# KiCad board r1_panel.kicad_pcb (continued)
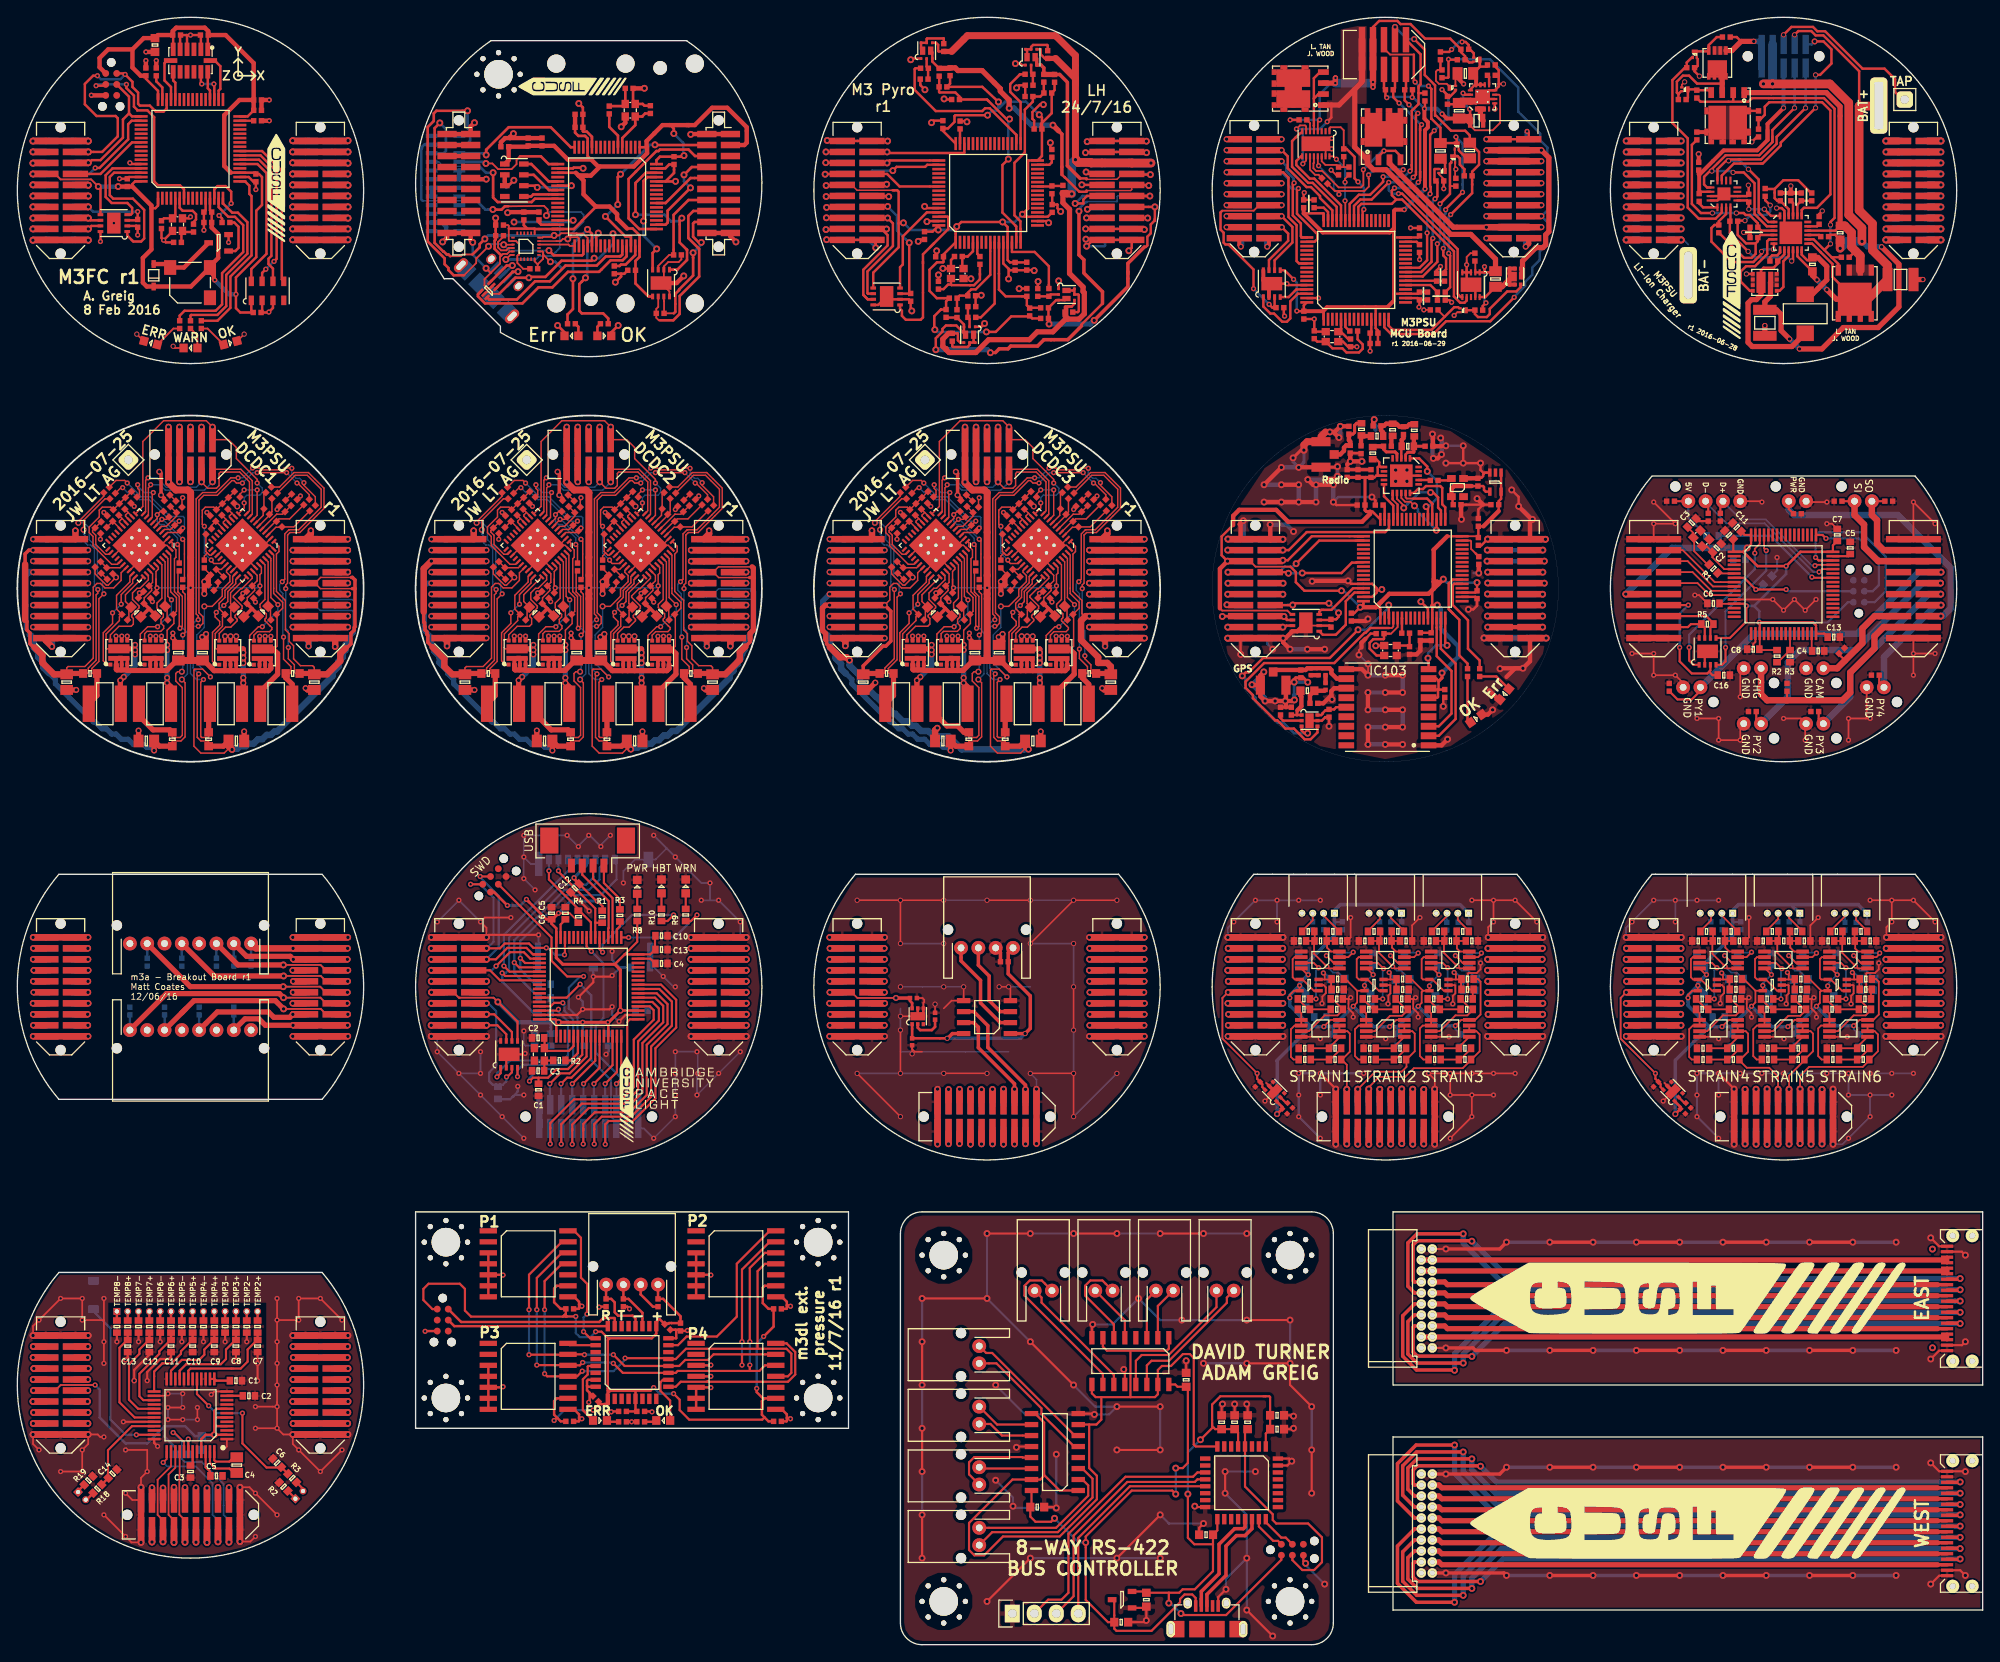
[diagram p0: board, top side]
## Routing (per net, layer and track width the routed paths; a pad name or vN(x,y) marks a point on that pad's centre or on a via; arc(x,y) is an arc through that point) (continued)
  Top w0.6: 168.75,178.81 IC2#11.EP 168.74,178.31 167.84,178.31 ; v2(185.82,173.72) 185.83,173.72 ; v2(174.22,161.51) 174.57,161.85 J4#4.20 ; J4#4.1 169.68,173.91 ; v2(33.64,115.34) 33.64,115.93 J4.19 ; 113.4,116.35 v2(113.8,116.75) 113.8,115.9 C7#9.2 113.4,116.35 ; 113.4,116.35 v2(113.35,116.4) ; 68.06,123.31 R12#5.2 ; 68.06,123.31 C9#7.2 ; 68.06,123.31 68.06,123.26 v2(67.6,122.8) v2(67.6,121.4) ; 67.4,116.35 v2(67.35,116.4) ; 67.4,116.35 v2(67.8,116.75) 67.8,115.9 C7#8.2 67.4,116.35 ; v2(21.6,121.4) v2(21.6,122.8) 22.06,123.26 22.06,123.31 ; J1#11.2 146.03,173.91 ; 21.4,116.35 v2(21.35,116.4) ; 21.4,116.35 v2(21.8,116.75) 21.8,115.9 C7#7.2 21.4,116.35 ; v2(79.3,110.5) 79.5,110.3 C1#8.2 ; J4#3.19 125.64,115.93 v2(125.64,115.34) ; C9#11.2 v4(201.84,152.39) ; 22.06,123.31 R12#6.2 ; 22.06,123.31 C9#6.2 ; C15#5.2 v2(26.2,105.5) ; v2(125.3,110.5) 125.5,110.3 C1#9.2 ; C30#3.2 98.26,110.3 v2(99.1,111.14) ; v2(33.3,110.5) 33.5,110.3 C1#7.2 ; 114.06,123.31 R12#7.2 ; 114.06,123.31 114.06,123.26 v2(113.6,122.8) v2(113.6,121.4) ; 114.06,123.31 C9#8.2 ; J4#4.19 169.68,162.49 ; C30.2 v2(6.8,110.3) ; C15#6.2 v2(72.2,105.5) ; C7#12.2 v4(220.09,157.71) ; C30#2.2 v2(52.8,110.3) ; C16#6.2 v2(14,105.6) ; J1#11.1 139.68,173.91 ; v2(79.64,115.34) 79.64,115.93 J4#2.19 ; C15#7.2 v2(118.2,105.5) ; C16#7.2 v2(60,105.6)
  Top w0.74: v1(146.2,116.28) 146.19,116.28 J101.20 J101.19 141.28,116.28 v1(139.8,116.28) ; v1(14.29,11.81) J5#3.1 J5#3.2 v1(14.29,18.19) ; J2#6.19 J2#6.20 ; v2(100.19,81.72) J1#16.2 J1#16.1 v2(93.82,81.72) ; v1(25.72,11.91) J5#3.19 J5#3.20 v1(25.72,18.19) ; v1(169.83,127.72) 169.84,127.72 J103.1 J103.2 176.49,127.72 v1(176.5,127.7) ; v2(1.82,81.72) J1#5.1 J1#5.2 v2(8.19,81.72) ; v2(84.18,127.71) 82.72,127.71 J4#2.2 J4#2.1 79.9,128.33 v2(79.9,128.7) ; C16#8.2 106,105.64 v2(106.26,105.9) ; v1(215.89,81.72) J2#3.1 J2#3.2 v1(222.19,81.72) ; v2(1.82,70.28) J1#5.19 J1#5.20 v2(8.19,70.28) ; J1#2.1 v1(47.82,81.72) v1(54.19,81.72) J1#2.2 ; v2(130.19,70.28) J2#10.20 J2#10.19 v2(123.82,70.28) ; v2(185.82,70.28) J1#4.19 J1#4.20 v1(192.19,70.28) ; J1#9.20 J1#9.19 49.63,115.94 v2(49.63,115.36) ; v2(139.82,70.28) J1#3.19 J1#3.20 v1(146.19,70.28) ; v1(146.18,127.7) 144.73,127.7 J101.2 J101.1 139.84,127.72 v1(139.83,127.72) ; J1#2.20 v1(54.19,70.28) v1(47.81,70.28) J1#2.19 ; v1(31.8,173.75) 31.84,173.72 J3.1 J3.2 38.17,173.72 v1(38.2,173.75) ; J2.19 v1(77.82,70.28) v1(84.19,70.28) J2.20 ; v1(38.19,35.72) J2#5.2 J2#5.1 v1(31.82,35.72) ; v1(163.72,64.19) J5.20 J5.19 v1(163.72,57.81) ; v1(185.82,81.72) J1#4.1 J1#4.2 v1(192.19,81.72) ; v2(123.82,81.72) J2#10.1 J2#10.2 v2(130.19,81.72) ; J2.2 v1(84.19,81.72) v1(77.81,81.72) J2.1 ; v1(146.19,81.72) J1#3.2 J1#3.1 v1(139.82,81.72) ; v1(169.89,81.72) J2#2.1 J2#2.2 v1(176.19,81.72) ; v2(4,115.3) 3.29,116.02 J1#8.19 J1#8.20 ; v2(117.72,64.19) J6#3.20 J6#3.19 v2(117.72,57.88) ; J4#3.19 J4#3.20 130.19,116.28 v2(130.19,116.28) ; v1(1.82,35.72) J1#6.1 J1#6.2 v1(8.19,35.72) ; v2(33.9,128.7) 33.9,128.33 J4.1 J4.2 36.72,127.71 v2(38.18,127.71) ; J1#10.20 J1#10.19 95.64,115.93 v2(95.64,115.38) ; v1(169.4,116.3) 169.42,116.28 J103.19 ; v2(125.9,128.7) 125.9,128.33 J4#3.1 J4#3.2 128.72,127.71 v2(130.18,127.71) ; v1(38.2,162.3) 38.19,162.28 J3.20 J3.19 31.82,162.28 v1(31.8,162.3) ; v1(169.82,70.28) J2#2.19 J2#2.20 v1(176.19,70.28) ; J1#9.1 J1#9.2 52.72,128.69 v2(52.7,128.7) ; v1(38.19,24.28) J2#5.20 J2#5.19 v1(31.82,24.28) ; v1(152.29,64.19) J5.2 J5.1 v1(152.29,57.81) ; v1(222.19,70.28) J2#3.20 J2#3.19 v1(215.82,70.28) ; v2(36.7,115.3) 36.72,115.31 J4.20 J4.19 ; v1(198.29,64.19) J5#2.2 J5#2.1 v1(198.29,57.81) ; v1(1.8,162.25) 1.84,162.28 J1.19 J1.20 8.17,162.28 v1(8.2,162.25) ; v1(8.2,173.7) 8.19,173.72 J1.2 J1.1 1.82,173.72 v1(1.8,173.7) ; v2(98.7,128.7) 98.72,128.69 J1#10.2 J1#10.1 ; v2(31.82,70.28) J2#4.19 J2#4.20 v2(38.19,70.28) ; v2(31.82,81.72) J2#4.1 J2#4.2 v2(38.19,81.72) ; v2(6.7,128.7) 6.72,128.69 J1#8.2 J1#8.1 ; v2(93.82,70.28) v2(100.19,70.28) ; J1#7.19 J1#7.20 ; v1(1.82,24.28) J1#6.19 J1#6.20 v1(8.19,24.28) ; J1#7.1 J1#7.2 ; J4#2.19 J4#2.20 82.35,115.92 v2(82.35,115.35) ; v2(106.29,64.19) v2(106.29,57.81) ; v1(209.72,64.19) J5#2.20 J5#2.19 v1(209.72,57.81) ; J2#6.1 J2#6.2 ; J103.20 v1(176.59,116.28)
  Top w0.8: C14#10.2 166.73,178.31 167.84,178.31 ; v2(192.18,162.28) 192.18,162.28 J1#12.20 ; v2(185.82,162.28) 185.83,162.28 J1#12.19 ; v2(222.18,162.28) 222.18,162.28 J4#6.20 ; v2(222.18,173.71) 222.18,173.72 J4#6.2 ; v2(215.82,173.71) 215.83,173.72 J4#6.1 ; v2(215.82,162.29) 215.83,162.28 J4#6.19 ; 185.83,173.72 J1#12.1 ; 151.1,140.1 150.58,139.57 ; v1(148.6,138) 148.6,138.6 148.98,138.97 P201.2 ; J1#12.2 192.18,173.72
  Bottom w0.18: v4(97,86) v4(102,86) ; 109.5,76 v4(107,76) v4(102,76) ; v4(122,76) v4(122,81) v4(117,81) ; v4(122,66) v4(122,71) ; 114.5,68.5 102,68.5 v4(102,71) v4(102,72.6) 102,73.5 ; v4(117,66) 117.72,65.28 v2(117.72,64.19) ; v4(122,61) v4(127,66) ; v4(97,66) v4(102,66) v4(107,66) ; v4(102,81) v4(107,81) ; v4(122,86) v4(117,86) ; v4(112,86) v4(107,86) ; v4(114.5,76) 117,76
  Bottom w0.2: 193,161.75 192.47,162.28 v2(192.18,162.28) ; v3(219,66) v3(216.5,66) v3(214,66) v3(211.5,66) ; v3(191.5,86) v3(191.5,83.5) ; v3(191.5,86) v3(194,86) v3(196.5,86) ; v3(191.5,86) v3(189,86) v3(186.5,83.5) 185.82,82.81 v1(185.82,81.72) ; v1(156.01,113.3) 154.97,114.34 v1(154.96,114.34) ; v3(51,66) v3(53.5,66) v3(53.5,68.5) ; v3(51,66) v3(53.5,63.5) v3(56,61) v3(58.5,58.5) ; v3(51,66) v3(48.5,68.5) 48.5,70.19 48.4,70.28 ; 19,26 v3(20.8,26) ; v3(145.5,86) v3(143,86) v3(140.5,83.5) 139.82,82.81 v1(139.82,81.72) ; v3(145.5,86) v3(145.5,83.5) ; v3(145.5,86) v3(148,86) v3(150.5,86) ; v3(199,66) v3(201.5,66) v3(204,66) v3(209,66) v3(211.5,66) ; v3(48.5,83.5) v3(51,86) v3(53.5,83.5) ; v3(58.5,91) v3(58.5,88.5) v3(59.8,87.2) ; v3(58.5,91) 59.3,90.2 U1#2.9 60.2,90.2 ; v3(58.5,91) v3(58.5,93.5) v3(63.5,93.5) v3(64.8,92.2) 64.8,92.3 v3(66,93.5) 66.1,93.5 v3(67.4,92.2) 67.4,92.4 v3(68.5,93.5) ; 75,92 73.69,90.69 U1#2.9 71.32,90.69 70,89.37 v3(70,88) ; 75,92 v3(73.5,93.5) ; 75,92 v3(76,91) 79,88 v3(80,88) 80,86 ; v3(17.4,27.4) v3(17.4,26) ; v3(211.5,66) v3(211.5,63.5) v3(214,63.5) ; 83.4,81.72 83.5,81.81 v3(83.5,83.5) v3(81,86) 80,86 ; v3(79,86) 80,86 ; 19,27.4 19,29 v3(17.4,29) ; 57.2,63.3 57.3,63.3 57.5,63.5 v3(58.5,63.5) ; v3(214,63.5) v3(216.5,63.5) ; v3(214,63.5) v3(214,61) v3(211.5,58.5) 210.82,57.81 v1(209.72,57.81) ; C8#16.2 58.7,69.2 58.5,69.4 v3(58.5,70.9) ; v3(76,76) 75.8,76 v3(74.6,77.2) 73.1,78.7 U1#2.9 ; J7#4.19 72.37,59.63 v3(73.5,58.5) v3(76,61) v3(76,63.5) v3(76,66) v3(76,68.5) v3(78.5,68.5) 78.6,68.4 v3(78.6,66) 78.5,65.9 v3(78.5,63.5) v3(81,66) v3(83.5,68.5)
  Bottom w0.25: 68.3,69.15 68.3,68.55 68,68.25 ; v1(142,32.5) v1(137,32.5) ; J1#13.2 v1(165,19.72) ; v1(142,10) v1(142,4) ; v1(142,10) 142,15 v1(139.5,17.5) ; v1(142,10) 139.6,7.6 v1(139.6,6.4) ; v3(69.5,72) 69.45,72 68.7,72.75 v3(68.7,73.7) ; J1#13.20 v1(165,8.28) ; v1(117,47.5) v1(122,47.5) ; v1(113,19) 115,17 v1(115,16) 115.2,15.8 v1(120,15.8) v1(120,22) ; v1(139.5,20) v1(143,20) ; v3(57.8,64.5) 57.8,63.9 56.9,63 55.5,63 ; v3(68.7,77.3) 69.64,78.24 U1#2.10 ; v1(112,47.5) v1(112,40) v1(117,35) ; v3(64.8,74.8) 65.3,74.3 v3(65.3,73.4) ; U1#2.9 60.2,79.5 v3(60.2,82) ; v3(150.5,66) v3(155.5,66) ; v3(150.5,66) v3(148,66) v3(148,63.5) v3(148,61) v3(150.5,58.5) ; v3(150.5,66) v3(150.5,63.5) ; v3(196.5,66) v3(194,66) v3(194,63.5) v3(194,61) v3(196.5,58.5) ; v3(196.5,66) v3(199,66) ; v3(196.5,66) v3(196.5,63.5) ; v1(104.5,30) v1(104.5,25) ; v1(117,10) v1(127,10) v1(132,10) ; U1#2.10 69.57,78.24 68.7,79.1 v3(68.7,80.1) 68.8,80.1 ; U1#2.10 70.67,78.24 ; v1(137,47.5) v1(142,47.5) ; v1(132,15) 133,14 v1(137,14) ; v1(124.2,37) 126.5,37 v1(129.5,40) 132,37.5 v1(134.5,37.5) v1(142,37.5) ; v1(104.5,40) v1(104.5,35) ; v1(132,27.5) v1(132,22.5) ; v1(113,30) 116.4,26.6 v1(124.4,26.6) 126.1,26.6 v1(127,27.5) 124.5,27.5 v1(122,30) ; v3(203.25,125.6) 203.25,124.1 202.7,123.55 202.7,123.5 ; v1(149.5,27.5) v1(149.5,22.5) ; v1(147,37.5) v1(147,32.5) ; v1(127,47.5) v1(132,47.5) ; v1(148.8,9.4) 148.8,9.2 v1(151,7) ; U1#2.11 v3(66.53,77.18) ; v1(104.5,20) v1(104.5,15)
  Bottom w0.28: v3(156.25,149.44) 156.25,149.43 ; v2(146.03,173.91) 146.03,173.91 ; v2(139.67,173.92) 139.68,173.91 ; v2(169.67,162.48) 169.68,162.49 ; v2(169.67,173.92) 169.68,173.91 ; v3(174.38,174.82) 174.22,174.66 J5#9.2 ; v2(192.18,173.71) 192.18,173.72 ; v1(123.42,162.37) 123.51,162.28 J12.19 ; v1(93.47,162.32) 95.61,162.32 J10.19 J10.20 98.37,162.16 v1(99.15,161.37) ; J12.19 125.64,161.63 125.56,161.56 v1(123.51,161.56) ; J12.19 J12.20 ; v1(130.41,173.69) 128.39,173.69 J12.2 J12.1 123.65,173.72 v1(123.57,173.64) ; v1(165,138.5) v1(167,138.5) ; v1(168.8,123.8) 168.2,123.8 ; J102.20 144.37,115.64 v1(145,115) ; v1(152,132) 152.58,132.58 v1(156.45,132.58) ; v1(93.54,173.77) 93.6,173.72 J10.1 J10.2 98.38,173.7 v1(100.52,173.7)
  Bottom w0.3: 55.17,159.21 J1#18.5 54.56,158.61 54.54,158.61 v1(54.14,159.01) 53.96,159.19 53.96,159.21 52.6,160.57 v1(52.6,162) ; v1(61.57,159.76) 62.14,159.76 62.84,159.06 ; 56.48,168.3 v1(57.35,169.18)
  Bottom w0.35: v1(152.48,136.1) v1(152.48,134.98) 152.48,134.48 v1(152,134) ; v1(148.6,138) 148.6,136.6 v1(148,136) 147.35,136.65 v1(147.35,137.1) ; v1(149.05,111.19) 147.49,111.19 v1(147.48,111.2) 147.48,109.27
  Bottom w0.4: 98.37,116.28 J2#14.20 ; v1(182,8) v1(187,8) ; 47.83,127.72 v2(47.82,127.71) ; v1(212,34) v1(217,34) ; v1(172,20.5) v1(177,20.5) ; v1(182,46.5) v1(187,46.5) ; 3.63,116.28 J2#12.19 ; v1(202,46.5) v1(207,46.5) ; v1(212,20.5) v1(217,20.5) ; 6.37,116.28 J2#12.20 ; v1(172,46.5) v1(177,46.5) ; v1(192,46.5) v1(197,46.5) ; v1(182,34) v1(187,34) ; 49.63,116.28 J2#13.19 ; v1(182,20.5) v1(187,20.5) ; v1(172,8) v1(177,8) ; v1(202,20.5) v1(207,20.5) ; 93.83,127.72 v2(93.82,127.71) ; v1(192,34) v1(197,34) ; v1(172,34) v1(177,34) ; 95.63,116.28 J2#14.19 ; 1.83,127.72 v2(1.82,127.71) ; v1(212,8) v1(217,8) ; v1(192,20.5) v1(197,20.5) ; v1(192,8) v1(197,8) ; v1(212,46.5) v1(217,46.5) ; 52.37,116.28 J2#13.20 ; v1(202,8) v1(207,8) ; v1(202,34) v1(207,34)
  Bottom w0.45: v2(144.36,161.5) 144.22,161.65 J2#15.20 ; v2(141.32,161.51) 141.49,161.68 J2#15.19
  Bottom w0.5: J102.20 144.38,116.3 ; J102.20 144.36,116.28 v1(139.8,116.28) ; J102.20 146.19,116.28 ; v1(151.1,134.65) 151.05,134.6 v1(149.05,134.6) ; v1(175,130) 174,131 ; v1(144,134) v1(146,134) ; v1(147.4,128.6) 146.6,129.4 v1(144.7,129.4) ; 146.19,116.28 v1(146.2,116.28) ; 146.19,116.28 J102.19 141.63,116.28 ; v1(150,132) v1(150,134) ; U1#3.14 U1#3.13 U1#3.15 ; 147.48,109.65 147.48,109.17 v1(147.5,109.14) ; v1(156,104) v1(158,104) ; v1(143.97,112.38) 143.97,112.27 v1(142.6,110.9) 144.12,109.39 v1(144.12,109.01) ; v1(148,136) v1(146,136) ; U1#3.21 49.04,164.3 49.53,163.81 49.53,162.45 v1(49.13,162.05) ; v1(156,108) v1(158,108) ; v1(141.6,129.85) 141.64,129.81 J102.1 ; v1(158,106) v1(156,106) ; v1(156.72,141.53) 156.72,140.96 156.86,140.82 156.86,140.36 ; v1(160,108) v1(160,106) ; v1(147,115) v1(149,115) ; v1(152,134) v1(152,132) ; v1(152.65,139.45) 152.81,139.61 v1(152.81,140.75) ; v1(163.55,137.05) 163.45,137.15 v1(163.45,139.85) ; v1(164.5,137.5) 164.5,139.3 v1(164.4,139.4) ; v1(158,110) v1(156,110) ; v1(146,132) v1(144,132) ; v1(156,112) v1(158,112) ; v1(160,112) v1(160,110) ; v1(148,134) v1(148,132)
  Bottom w0.6: 146.03,173.91 J2#15.2 ; 139.68,173.91 J2#15.1 ; 169.68,162.49 J5#9.19 ; 169.68,173.91 J5#9.1 ; 185.83,173.72 v2(185.82,173.72) ; v2(174.22,161.51) 174.22,161.51 J5#9.20
  Bottom w0.7: v2(54.18,116.28) 52.37,116.28 ; J2#13.1 47.83,127.72 ; v2(100.18,116.28) 98.37,116.28 ; v2(8.18,116.28) 6.37,116.28 ; J2#12.1 1.83,127.72 ; J2#14.1 93.83,127.72
  Bottom w0.74: v2(130.18,127.71) 130.18,127.72 J5#8.2 ; J104.1 171.63,127.72 v1(169.83,127.72) ; J104.1 J104.2 174.38,127.7 v1(176.5,127.7) ; J104.1 171.62,127.7 ; v2(49.63,115.36) 49.64,115.36 J2#13.19 ; v1(176.59,116.28) J104.20 J104.19 171.62,116.3 v1(169.4,116.3) ; v1(139.83,127.72) 141.63,127.72 J102.1 J102.2 144.38,127.7 v1(146.18,127.7) ; v1(47.81,70.28) J3#7.19 J3#7.20 v1(54.19,70.28) ; v1(169.82,70.28) J4#10.19 J4#10.20 v1(176.19,70.28) ; v1(1.8,162.25) 1.84,162.28 J2#11.19 J2#11.20 8.17,162.28 v1(8.2,162.25) ; v1(146.19,81.72) J3#8.2 J3#8.1 v1(139.82,81.72) ; v1(222.19,81.72) J4#11.2 J4#11.1 v1(215.89,81.72) ; v2(4,115.3) 4,115.92 J2#12.19 ; v1(1.82,24.28) J3#11.19 J3#11.20 v1(8.19,24.28) ; v1(139.8,116.28) 141.63,116.28 J102.19 J102.20 144.38,116.28 v1(146.2,116.28) ; J7#4.19 J7#4.20 ; v1(25.72,11.91) J6#6.19 J6#6.20 v1(25.72,18.19) ; v1(38.2,162.3) 38.19,162.28 J4#8.20 J4#8.19 31.82,162.28 v1(31.8,162.3) ; v2(185.82,70.28) J3#9.19 J3#9.20 v1(192.19,70.28) ; v1(222.19,70.28) J4#11.20 J4#11.19 v1(215.82,70.28) ; v2(1.82,81.72) J3#10.1 J3#10.2 v2(8.19,81.72) ; v1(8.2,173.7) 8.19,173.72 J2#11.2 J2#11.1 1.82,173.72 v1(1.8,173.7) ; v1(8.19,35.72) J3#11.2 J3#11.1 v1(1.82,35.72) ; v1(31.82,35.72) J4#13.1 J4#13.2 v1(38.19,35.72) ; J5#6.2 38.18,127.72 v2(38.18,127.71) ; v1(38.19,24.28) J4#13.20 J4#13.19 v1(31.82,24.28) ; v2(79.64,115.34) 79.64,115.34 J5#7.19 ; J5#8.19 125.64,115.34 v2(125.64,115.34) ; v1(47.82,81.72) J3#7.1 J3#7.2 v1(54.19,81.72) ; v1(14.29,11.81) J6#6.1 J6#6.2 v1(14.29,18.19) ; v1(209.72,64.19) J6#5.20 J6#5.19 v1(209.72,57.81) ; J7#4.1 J7#4.2 ; J5#7.2 84.18,127.72 v2(84.18,127.71) ; v1(77.82,70.28) J4#9.19 J4#9.20 v1(84.19,70.28) ; v1(77.81,81.72) J4#9.1 J4#9.2 v1(84.19,81.72) ; v1(198.29,64.19) J6#5.2 J6#5.1 v1(198.29,57.81) ; v1(163.72,57.81) J6#4.19 J6#4.20 v1(163.72,64.19) ; v2(100.19,81.72) J3#12.2 J3#12.1 v2(93.82,81.72) ; v1(185.82,81.72) J3#9.1 J3#9.2 v1(192.19,81.72) ; J5#8.20 128.37,116.28 v2(130.19,116.28) ; v2(117.72,64.19) J7#7.20 J7#7.19 v2(117.72,57.88) ; v1(152.29,57.81) J6#4.1 J6#4.2 v1(152.29,64.19) ; J5#6.19 33.64,115.34 v2(33.64,115.34) ; v1(169.89,81.72) J4#10.1 J4#10.2 v1(176.19,81.72) ; v2(123.82,70.28) J5#11.19 J5#11.20 v2(130.19,70.28) ; 36.37,116.28 J5#6.20 ; v2(106.29,64.19) J7#7.2 J7#7.1 v2(106.29,57.81) ; v2(82.35,115.35) 82.37,115.36 J5#7.20 82.37,116.28 ; v2(100.19,70.28) J3#12.20 J3#12.19 v2(93.82,70.28) ; v2(38.19,70.28) J4#12.20 J4#12.19 v2(31.82,70.28) ; v2(95.64,115.38) 95.64,115.39 J2#14.19 ; v1(146.19,70.28) J3#8.20 J3#8.19 v2(139.82,70.28) ; v2(31.82,81.72) J4#12.1 J4#12.2 v2(38.19,81.72) ; v2(123.82,81.72) J5#11.1 J5#11.2 v2(130.19,81.72) ; v1(31.8,173.75) 31.84,173.72 J4#8.1 J4#8.2 38.17,173.72 v1(38.2,173.75) ; v2(8.19,70.28) v2(1.82,70.28)
  Bottom w0.8: 192.18,173.72 J2#16.2 ; v2(192.18,162.28) 192.18,162.28 J2#16.20 ; v2(185.82,162.28) 185.83,162.28 J2#16.19 ; v2(222.18,162.28) 222.18,162.28 J5#10.20 ; v2(222.18,173.71) 222.18,173.72 J5#10.2 ; v2(215.82,173.71) 215.83,173.72 J5#10.1 ; v2(215.82,162.29) 215.83,162.28 J5#10.19 ; J2#16.1 185.83,173.72
  vias: v3(11.15,164.22) v3(19.1,29) v3(19.1,27.4) v3(19.1,26) v3(68,68.2)
VBATT: length 111.5
  Top w0.2: v3(150.42,176.15) 150.21,175.94 IC4#5.4 ; J3#2.4 156.58,186.88
  Top w0.28: 168.1,182.79 167.68,182.79 167.37,183.1 R1#11.1 167.22,183.5 166.73,183.99 R5#7.1 165.5,185.54 162.59,185.54 160.91,187.22 159.76,187.22 159.4,187.58 157.29,187.58 156.59,186.88 156.58,186.88 ; C18#6.2 v3(147.02,176.15) ; R17#8.2 209.97,162.87 209.41,162.87 R15#9.2 ; v3(156.58,180.52) J3#2.3
  Top w0.6: Q5.S1 v3(152.23,180.4) 152.23,180.98 v3(152.25,181) ; 201.84,154.11 C9#11.1 ; C9#11.1 203.19,154.21 203.72,153.68 203.72,151.81 v4(204.69,150.84) ; C9#11.1 201.84,155.13 202.49,155.78 202.49,157.37 Q6#2.D1 ; v4(205.84,149.69) 208.43,149.69 210.9,152.16 214.93,152.16 217.32,154.55 217.32,159.49 v4(215.33,161.48) ; v3(156.58,180.52) v3(156.58,179.93)
  Top w0.8: J3#2.4 J3#2.3
  Top w1: v4(201.67,180.31) v4(202.73,180.31) 202.74,180.31 209.35,180.31 211.53,178.12 211.53,165.18 213.05,163.66 213.05,162.13 ; R17#8.2 210.53,161.32
  Bottom w0.28: v3(147.02,176.15) v3(150.42,176.15) 150.42,179.1 151.72,180.4 v3(152.23,180.4)
  Bottom w0.6: 156.46,180.4 v3(156.58,180.52) ; v4(205.84,149.69) v4(204.69,150.84) ; v4(213.06,162.12) 213.7,161.48 v4(215.33,161.48)
  Bottom w1: v4(210.54,161.31) 211.35,162.12 v4(213.06,162.12) ; v3(152.23,180.4) 156.46,180.4 ; J6#11.4 J6#11.3 v4(202.73,180.31) v4(201.67,180.31)
VCC: length 357.3
  Top w0.16: IC2#7.35 16.29,124.45 16.29,124.26 16.02,123.98 16.02,123.1 ; 62.02,123.1 62.02,123.98 62.29,124.26 62.29,124.45 IC2#8.35 ; 62.02,123.1 C31#2.1 62.02,121.98 v3(62.13,122.09) 62.02,122.2 62.02,123.1 ; C32#3.1 120.02,121.62 v3(120.02,122.32) 120.02,123.62 120.19,123.79 120.19,124.45 IC1#10.35 ; 16.02,123.1 16.02,122.2 v3(16.13,122.09) 16.02,121.98 C31.1 16.02,123.1 ; IC1#9.35 74.19,124.45 74.19,123.79 74.02,123.62 v3(74.02,122.32) 74.02,121.62 C32#2.1 ; IC2#9.35 108.29,124.45 108.29,124.26 108.02,123.98 108.02,123.1 ; 108.02,123.1 108.02,122.2 v3(108.13,122.09) 108.02,121.98 C31#3.1 108.02,123.1 ; 20.12,121.5 20.02,121.4 ; 66.12,121.5 66.02,121.4 ; 112.12,121.5 112.02,121.4 ; C32.1 28.02,121.62 v3(28.02,122.32) 28.02,123.62 28.19,123.79 28.19,124.45 IC1#8.35
  Top w0.2: v3(147.74,175.1) 148.15,175.51 148.74,175.51 148.86,175.4 IC4#5.7 ; v3(148.48,171.08) 148.86,171.45 IC4#5.10 ; IC5#3.2 168.4,159.8 C20#6.1
  Top w0.28: v3(151.29,175.94) 151.77,176.42 151.77,177.87 ; R15#8.1 170.6,158.53 169.46,158.53 ; v3(169.63,155.02) 169.25,154.64 R16#8.1 ; v3(169.46,159.19) 169.46,158.53 ; 169.46,158.53 IC5#3.1 IC5#3.2 ; 199.1,185.22 198.59,185.72 R9#8.1 ; J3#2.1 155.31,180.52
  Top w0.4: 120.6,112.53 120.6,112.56 120.63,112.59 Q1#5.D1 120.63,113.6 Q1#5.D1 ; 73.8,112.53 73.98,112.7 Q1#4.D1 73.98,113.6 Q1#4.D1 ; 108.6,112.54 108.65,112.59 Q3#4.D1 108.65,113.88 108.71,113.94 ; 62.71,113.94 62.65,113.88 Q3#3.D1 62.65,112.59 62.6,112.54 ; 58.73,113.94 58.73,113.88 58.7,113.85 Q4#3.D1 58.7,112.62 58.69,112.61 ; 104.69,112.61 104.7,112.62 Q4#4.D1 104.7,113.85 104.73,113.88 104.73,113.94 ; 16,112.54 Q3#2.D1 16,113.93 16.01,113.94 ; 12.73,113.94 12.73,113.88 12.7,113.85 Q4#2.D1 12.7,112.62 12.69,112.61 ; 61.4,112.54 61.35,112.59 Q3#3.D1 61.35,113.65 61.38,113.65 Q3#3.D1 ; Q2#3.D1 70.63,113.6 Q2#3.D1 70.63,112.59 70.56,112.53 70.5,112.53 ; Q2#3.D1 70.92,113.93 71.28,113.58 71.28,112.59 71.3,112.56 71.3,112.53 ; Q2#3.D1 69.98,113.6 Q2#3.D1 69.98,112.59 69.91,112.53 69.9,112.53 ; 62,112.54 Q3#3.D1 62,113.93 62.01,113.94 ; 16.6,112.54 16.65,112.59 Q3#2.D1 16.65,113.88 16.71,113.94 ; Q2#4.D1 115.98,113.6 Q2#4.D1 115.98,112.59 115.91,112.53 115.9,112.53 ; Q2#4.D1 116.63,113.6 Q2#4.D1 116.63,112.59 116.56,112.53 116.5,112.53 ; Q2#4.D1 116.92,113.93 117.28,113.58 Q2#4.D1 117.28,112.59 117.3,112.56 117.3,112.53 ; 58.09,113.94 58.05,113.9 Q4#3.D1 58.05,112.66 58,112.61 ; Q1#3.D1 29.28,113.58 28.92,113.93 Q1#3.D1 ; Q4#3.D1 57.4,113.62 Q4#3.D1 ; 104.09,113.94 104.05,113.9 Q4#4.D1 104.05,112.66 104,112.61 ; 119.8,112.53 119.98,112.7 Q1#5.D1 119.98,113.6 Q1#5.D1 ; 12.09,113.94 12.05,113.9 Q4#2.D1 12.05,112.66 12,112.61 ; Q1#3.D1 28.63,113.6 Q1#3.D1 28.63,112.59 28.6,112.56 28.6,112.53 ; Q1#3.D1 27.98,113.6 27.98,112.7 27.8,112.53 ; 107.4,112.54 107.35,112.59 Q3#4.D1 107.35,113.65 107.38,113.65 Q3#4.D1 ; Q3#2.D1 15.38,113.65 15.35,113.65 Q3#2.D1 15.35,112.59 15.4,112.54 ; Q2#2.D1 23.98,113.6 23.98,112.59 23.91,112.53 23.9,112.53 ; Q2#2.D1 24.63,113.6 Q2#2.D1 24.63,112.59 24.56,112.53 24.5,112.53 ; Q2#2.D1 24.92,113.93 25.28,113.58 Q2#2.D1 25.28,112.59 25.3,112.56 25.3,112.53 ; Q1#5.D1 120.92,113.93 121.28,113.58 Q1#5.D1 ; 108,112.54 Q3#4.D1 108,113.93 108.01,113.94 ; 75.28,113.21 75.28,113.58 74.92,113.93 Q1#4.D1 ; Q4#2.D1 11.4,113.62 Q4#2.D1 ; Q4#4.D1 103.4,113.62 Q4#4.D1 ; Q1#4.D1 74.63,113.6 Q1#4.D1 74.63,112.59 74.6,112.56 74.6,112.53
  Top w0.6: Q5.S2 150.86,177.87 152.66,177.87 154.47,179.68 ; 154.47,179.68 154.47,173 155.94,171.53 Q4#5.S2 155.95,171.09 156.64,170.39 158.09,170.39 165.56,162.92 167.88,162.92 170.73,160.07 R15#8.1 ; 154.47,179.68 155.31,180.52 ; v4(200.56,185.22) 200.56,185.22 199.1,185.22 198.05,184.16 Q2#6.S ; 18.36,113.94 C22.1 18.4,113.7 17.24,112.54 12.76,112.54 12.69,112.61 11.51,112.61 11.44,112.69 11.44,113.23 ; 110.36,113.94 C22#3.1 110.4,113.7 109.24,112.54 104.76,112.54 104.69,112.61 103.51,112.61 103.44,112.69 103.44,113.23 ; C7#7.1 21.55,113.7 22.73,112.53 29.03,112.53 29.28,112.78 Q1#3.D1 ; Q1#5.D1 121.28,112.78 121.03,112.53 114.73,112.53 113.55,113.7 C7#9.1 ; 57.44,113.23 57.44,112.69 57.51,112.61 58.69,112.61 58.76,112.54 63.24,112.54 64.4,113.7 C22#2.1 64.36,113.94 ; Q4#3.D1 58.09,113.94 ; Q4#4.D1 104.09,113.94 ; Q3#2.D1 16.01,113.94 ; 75.28,113.21 75.28,112.78 75.03,112.53 68.73,112.53 67.55,113.7 C7#8.1 ; Q3#4.D1 108.01,113.94 ; Q3#3.D1 62.01,113.94 ; Q4#2.D1 12.09,113.94
  Top w0.74: v2(63.46,140.68) J3#4.2 J3#4.1 v2(63.46,134.32) ; v2(109.46,140.68) J3#5.2 J3#5.1 v2(109.46,134.32) ; v2(17.46,134.32) J3#3.1 J3#3.2 v2(17.46,140.68)
  Top w0.8: C7#9.1 112.02,113.7 v3(112.02,122.1) 112.02,133.08 111.71,133.39 110.31,133.39 109.46,134.24 v2(109.46,134.32) ; 66.02,113.8 65.92,113.7 C22#2.1 ; C22#3.1 111.92,113.7 112.02,113.8 ; 20.02,113.8 19.92,113.7 C22.1 ; J3#2.2 J3#2.1 ; v2(63.46,134.32) 63.46,134.24 64.31,133.39 65.71,133.39 66.02,133.08 v3(66.02,122.1) 66.02,113.7 C7#8.1 ; v2(17.46,134.32) 17.46,134.24 18.31,133.39 19.71,133.39 20.02,133.08 v3(20.02,122.1) 20.02,113.7 C7#7.1
  Bottom w0.16: v3(120.02,122.32) 119.8,122.1 v3(112.02,122.1) 112.01,122.09 v3(108.13,122.09) ; v3(74.02,122.32) 73.8,122.1 v3(66.02,122.1) 66.01,122.09 v3(62.13,122.09) ; v3(28.02,122.32) 27.8,122.1 v3(20.02,122.1) 20.01,122.09 v3(16.13,122.09)
  Bottom w0.28: v3(151.29,175.94) 150.45,175.1 148.48,175.1 ; 148.48,175.1 148.48,175.02 148.48,175.1 ; 148.48,175.1 v3(147.74,175.1) ; 148.48,175.1 v3(148.48,171.08) ; v3(169.63,155.02) 169.46,155.19 v3(169.46,159.19)
  Bottom w0.6: v4(200.56,185.22) 201.09,185.22 201.45,184.87 J6#11.2
  Bottom w0.74: v2(109.46,134.32) J6#10.1 J6#10.2 v2(109.46,140.68) ; v2(63.46,134.32) J6#9.1 J6#9.2 v2(63.46,140.68) ; v2(17.46,134.32) J6#8.1 J6#8.2 v2(17.46,140.68)
  Bottom w0.8: J6#11.2 J6#11.1
(no net): length 0
  Top w0.2: 142.24,113.02 142.27,112.99
  vias: v1(221.2,45.7) v1(221.2,34.3)
/ACCEL_CS: length 6
  Top w0.28: 17.45,183 IC4.7 17.3,183 17,182.7 17,180.7 17.75,179.95 IC1.45
/ACCEL_INT: length 3.5
  Top w0.28: IC1.44 18.25,180.45 18,180.7 IC4.8
/ACCEL_SCLK: length 5.6
  Top w0.28: IC1.34 23.25,179.53 23.45,179.73 23.45,182.35 22.8,183 IC4.14
/ACCEL_SDI: length 3.5
  Top w0.28: IC4.13 22,179.8 22.25,179.55 IC1.36
/ACCEL_SDO: length 4.9
  Top w0.28: v3(21.3,180.3) 21.2,180.4 IC4.12 ; IC1.35 22.75,180.25 v3(22.7,180.3)
  Bottom w0.28: v3(22.7,180.3) v3(21.3,180.3)
/ADIS_IRQ: length 18.3
  Top w0.3: v1(54.95,170.05) 54.95,167.19 55.48,166.66 59.4,166.66 59.79,167.04 IC1#11.25
  Bottom w0.15: 53.38,170.79 49.2,170.79 48.69,171.3 U1#3.7
  Bottom w0.3: v1(54.95,170.05) 54.94,170.04 54.13,170.04 53.38,170.79
/ANT_~{EN}: length 33.4
  Top w0.2: IC101.4 158.93,117.62 158.75,117.45 158.44,117.45
  Top w0.28: IC1#14.4 150.17,105.38 149.37,104.59 148.69,104.59 147.45,105.83 146.48,105.83 145.53,106.78 145.28,106.78 142.71,109.35 142.71,109.69 141.86,110.54 141.86,111.26 144.01,113.4 152.11,113.4 155.6,116.89 155.71,116.89 156.27,117.45 158.44,117.45
/ANT_~{FLAG}: length 34.4
  Top w0.28: IC1#14.3 148.34,105.62 148.66,105.3 v1(149.03,105.3) ; v1(158.4,120.1) 158.4,118.62 IC101.3 ; v1(141.48,111.92) 141.88,112.32 142.22,112.32 143.89,113.99 151.6,113.99 v1(154.86,117.24)
  Bottom w0.28: v1(149.03,105.3) 147.45,105.3 146.21,106.54 145.56,106.54 143.8,108.3 143.74,108.3 143,109.03 143,109.4 141.86,110.54 141.86,111.59 141.53,111.92 v1(141.48,111.92) ; v1(154.86,117.24) 155.85,117.24 158.4,119.8 v1(158.4,120.1)
/BARO_CS: length 22.7
  Top w0.28: IC2.5 30.55,157.72 30.55,170.27 28.27,172.55 IC1.24
  Top w0.3: IC3#4.5 59.35,167.3 59.59,167.54 IC1#11.24
/BARO_SCLK: length 21.5
  Top w0.28: IC1.21 27.73,171.05 28.78,170 28.78,160.68 27.03,158.93 IC2.8
  Top w0.3: IC1#11.21 61.37,169.04 59.36,171.05 IC3#4.8
